# KiCad board rabbit_mask_capacitors.kicad_pcb (continued)
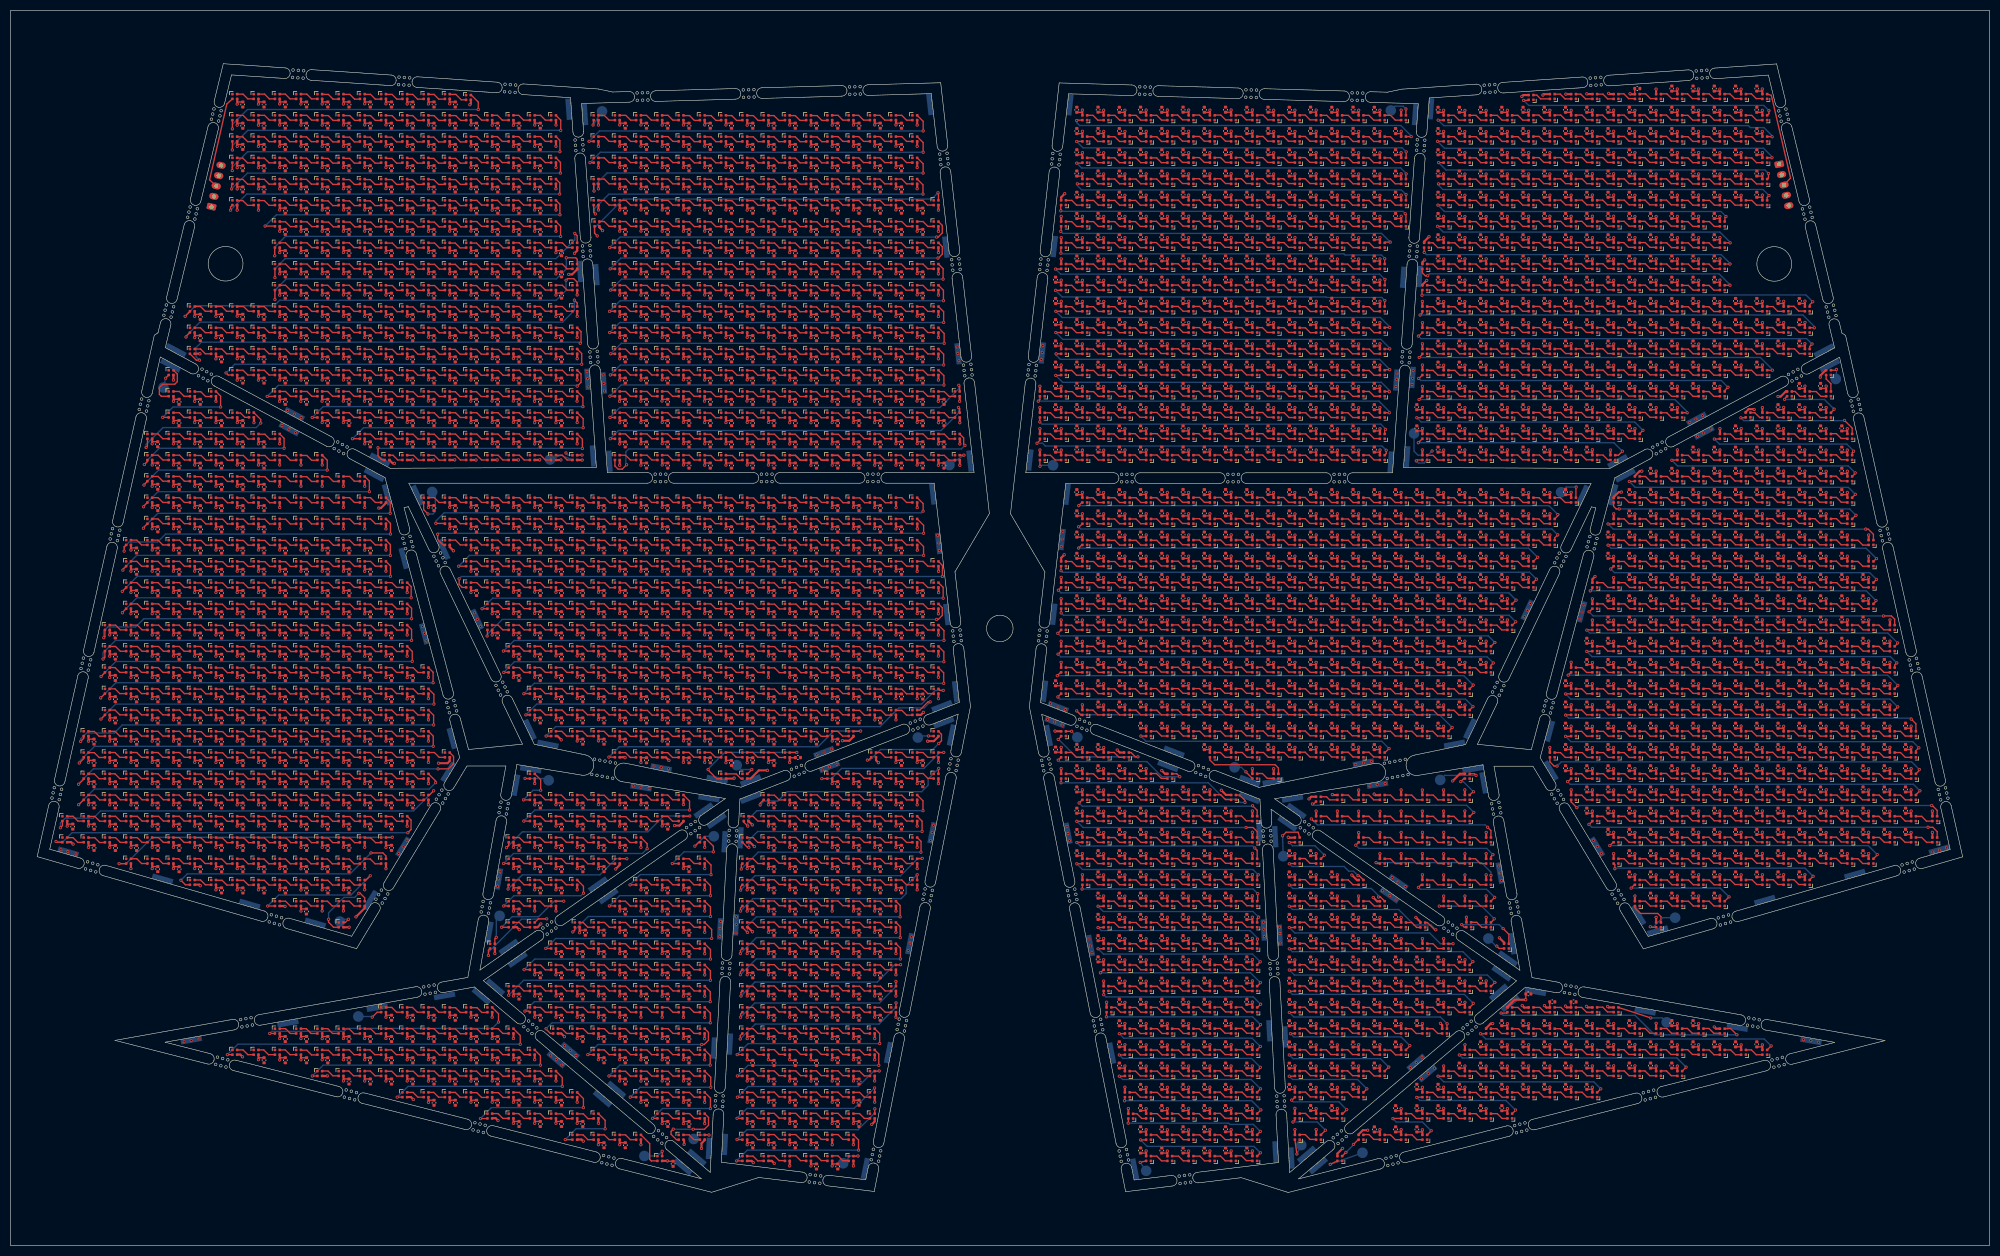
[diagram p0: board, top side]
## Routing (per net, layer and track width the routed paths; a pad name or vN(x,y) marks a point on that pad's centre or on a via; arc(x,y) is an arc through that point) (continued)
; 269.76,168.79 v1(269.76,169.76) ; 142.65,79.94 v1(142.65,78.96) ; 221.75,16.79 v1(221.75,17.76) ; D2100.2 v1(289.75,141.79) ; 213.76,184.8 v1(213.76,185.78) ; 126.65,31.94 v1(126.65,30.96) ; 329.75,72.84 v1(329.75,73.81) ; 341.75,140.82 v1(341.75,141.8) ; 233.75,80.84 v1(233.75,81.81) ; D2601.2 v1(213.75,81.79) ; 98.65,171.94 v1(98.65,170.96) ; D2293.2 v1(349.75,121.79) ; 337.75,160.85 v1(337.75,161.82) ; 257.75,100.8 v1(257.75,101.77) ; 233.75,72.84 v1(233.75,73.81) ; D2809.2 v1(269.75,49.79) ; 122.65,51.94 v1(122.65,50.96) ; 114.65,55.94 v1(114.65,54.96) ; D2846.2 v1(257.75,41.79) ; 301.76,100.79 v1(301.76,101.76) ; 154.65,195.96 v1(154.65,194.99) ; 78.65,171.99 v1(78.65,171.01) ; 102.65,79.94 v1(102.65,78.96) ; D1627.2 v1(201.75,197.79) ; 114.65,179.94 v1(114.65,178.96) ; 170.65,67.94 v1(170.65,66.96) ; 237.76,152.8 v1(237.76,153.77) ; 86.63,147.91 v1(87.61,147.91) ; 114.65,167.94 v1(114.65,166.96) ; 158.65,79.94 v1(158.65,78.96) ; 42.65,147.94 v1(42.65,146.96) ; 253.75,116.79 v1(253.75,117.76) ; 297.76,84.8 v1(297.76,85.77) ; 98.65,183.94 v1(98.65,182.96) ; 94.65,39.94 v1(94.65,38.96) ; 305.75,196.79 v1(305.75,197.76) ; 313.75,116.78 v1(313.75,117.75) ; 253.75,112.78 v1(253.75,113.75) ; D2515.2 v1(237.75,93.79) ; D2251.2 v1(325.75,125.79) ; 337.75,96.8 v1(337.75,97.78) ; 162.65,51.94 v1(162.65,50.96) ; 154.65,67.94 v1(154.65,66.96) ; 333.76,84.8 v1(333.76,85.77) ; 333.75,132.84 v1(333.75,133.81) ; 130.65,179.96 v1(130.65,178.99) ; 134.65,135.96 v1(134.65,134.99) ; 134.65,139.99 v1(134.65,139.01) ; 333.74,152.86 v1(333.74,153.83) ; 337.74,148.83 v1(337.74,149.8) ; 82.65,135.94 v1(82.65,134.96) ; D193.2 110.83,191.71 v1(111.42,191.11) ; D495.2 v1(114.65,154.94) ; 293.75,140.84 v1(293.75,141.81) ; 170.65,107.94 v1(170.65,106.96) ; 38.65,159.94 v1(38.65,158.96) ; 90.65,179.99 v1(90.65,179.01) ; 58.65,123.94 v1(58.65,122.96) ; D2179.2 v1(329.75,133.79) ; 225.75,104.86 v1(225.75,105.83) ; 249.75,100.82 v1(249.75,101.8) ; 98.65,67.94 v1(98.65,66.96) ; 333.75,128.84 v1(333.75,129.81) ; D2094.2 v1(265.75,141.79) ; 154.65,199.96 v1(154.65,198.99) ; 349.76,88.8 v1(349.76,89.77) ; 94.65,123.99 v1(94.65,123.01) ; 170.67,135.91 v1(170.67,134.94) ; v1(240.5,76.86) 240.58,76.78 241.75,76.78 ; 98.65,127.99 v1(98.65,127.01) ; D2853.2 v1(289.75,41.79) ; 233.75,76.83 v1(233.75,77.8) ; 277.75,176.8 v1(277.75,177.78) ; 225.76,180.83 v1(225.76,181.8) ; 90.65,139.99 v1(90.65,139.01) ; D2934.2 v1(210.4,25.76) ; 253.75,164.78 v1(253.75,165.75) ; 150.65,39.92 v1(150.65,38.95) ; 82.65,171.96 v1(82.65,170.99) ; 50.65,107.94 v1(50.65,106.96) ; 42.65,95.94 v1(42.65,94.96) ; 58.65,167.96 v1(58.65,166.99) ; 50.65,95.94 v1(50.65,94.96) ; D1411.2 v1(78.65,30.94) ; 38.65,107.94 v1(38.65,106.96) ; 90.65,43.94 v1(90.65,42.96) ; 225.76,192.83 v1(225.76,193.81) ; 94.65,71.94 v1(94.65,70.96) ; 90.65,163.99 v1(90.65,163.01) ; 333.74,92.79 v1(333.74,93.77) ; 58.65,35.94 v1(58.65,34.96) ; 86.65,155.94 v1(86.65,154.96) ; 166.65,63.94 v1(166.65,62.96) ; 317.75,112.79 v1(317.75,113.76) ; D2886.2 v1(317.75,37.79) ; D1931.2 v1(213.75,161.79) ; 130.65,91.94 v1(130.65,90.96) ; D1478.2 v1(123.63,15.91) ; D2479.2 v1(225.75,97.79) ; v1(248.8,84.89) 248.88,84.81 D2574.2 ; 293.76,152.88 v1(293.76,153.86) ; 241.76,132.79 v1(241.76,133.76) ; D1131.2 v1(98.65,78.94) ; 130.65,55.9 v1(130.65,54.93) ; 158.65,47.94 v1(158.65,46.96) ; 174.65,167.94 v1(174.65,166.96) ; D2358.2 v1(321.75,113.79) ; 106.65,167.96 v1(106.65,166.99) ; 114.65,35.94 v1(114.65,34.96) ; 86.65,139.99 v1(86.65,139.01) ; 62.65,199.96 v1(62.65,198.99) ; 237.75,172.8 v1(237.75,173.77) ; 309.75,196.79 v1(309.75,197.76) ; 114.65,31.94 v1(114.65,30.96) ; 197.76,180.8 v1(197.76,181.78) ; 94.65,207.94 v1(94.65,206.96) ; D1654.2 v1(313.75,197.79) ; 58.65,139.94 v1(58.65,138.96) ; 341.76,84.82 v1(341.76,85.8) ; 158.65,191.96 v1(158.65,190.99) ; 249.76,132.81 v1(249.76,133.79) ; 114.65,39.94 v1(114.65,38.96) ; D2067.2 305.75,144.91 306.65,145.81 v1(307.05,145.81) ; 70.65,131.94 v1(70.65,130.96) ; D2246.2 v1(305.75,125.79) ; D809.2 v1(174.65,118.94) ; 221.75,96.79 v1(221.75,97.76) ; 301.75,36.84 v1(301.75,37.81) ; 74.65,175.96 v1(74.65,174.99) ; 74.65,183.99 v1(74.65,183.01) ; 94.65,179.99 v1(94.65,179.01) ; 253.76,208.81 v1(253.76,209.78) ; 213.75,44.79 v1(213.75,45.76) ; 325.74,208.79 v1(325.74,209.76) ; 86.65,131.96 v1(86.65,130.99) ; 98.65,27.94 v1(98.65,26.96) ; 349.76,108.82 v1(349.76,109.8) ; 281.15,56.81 281.15,57.01 v1(280.25,57.91) ; D2901.2 v1(257.75,33.79) ; 70.65,211.99 v1(70.65,211.01) ; 333.75,120.84 v1(333.75,121.81) ; 170.65,171.99 v1(170.65,171.01) ; 106.65,27.94 v1(106.65,26.96) ; 249.76,208.83 v1(249.76,209.81) ; 233.76,132.84 v1(233.76,133.81) ; 221.76,188.81 v1(221.76,189.79) ; 106.65,55.94 v1(106.65,54.96) ; 245.75,172.82 v1(245.75,173.8) ; D2298.2 v1(213.75,117.79) ; 166.65,183.96 v1(166.65,182.99) ; 146.65,79.94 v1(146.65,78.96) ; 78.65,163.99 v1(78.65,163.01) ; 74.65,211.96 v1(74.65,210.99) ; 26.65,147.94 v1(26.65,146.96) ; D2396.2 v1(325.75,109.79) ; 114.65,95.99 v1(114.65,95.01) ; 333.75,124.84 v1(333.75,125.81) ; 102.65,67.94 v1(102.65,66.96) ; 118.65,75.94 v1(118.65,74.96) ; 46.65,167.96 v1(46.65,166.99) ; D2217.2 v1(337.75,129.79) ; 326.61,156.85 326.61,156.94 327.15,157.49 328.14,157.49 v1(328.2,157.43) ; 58.65,135.94 v1(58.65,134.96) ; 102.65,99.96 v1(102.65,98.99) ; 110.65,103.99 v1(110.65,103.01) ; 146.65,163.94 v1(146.65,162.96) ; 30.65,119.94 v1(30.65,118.96) ; D1938.2 v1(241.75,161.79) ; 325.76,164.81 v1(325.76,165.79) ; 253.75,92.84 v1(253.75,93.81) ; 321.75,212.77 v1(321.75,213.74) ; 257.76,180.8 v1(257.76,181.78) ; 289.75,212.79 v1(289.75,213.77) ; 138.65,207.94 v1(138.65,206.96) ; 114.65,47.94 v1(114.65,46.96) ; D2598.2 v1(201.75,81.79) ; 217.74,140.82 v1(217.74,141.8) ; 162.65,163.96 v1(162.65,162.99) ; 166.67,139.91 v1(166.67,138.94) ; D2200.2 v1(257.75,129.79) ; 138.65,19.94 v1(138.65,18.96) ; 70.62,159.96 v1(70.62,158.99) ; D1576.2 v1(261.75,205.79) ; 162.65,167.96 v1(162.65,166.99) ; 150.65,211.96 v1(150.65,210.99) ; D2775.2 v1(269.75,57.79) ; 201.75,120.79 v1(201.75,121.76) ; 166.65,47.94 v1(166.65,46.96) ; 166.65,127.96 v1(166.65,126.99) ; 337.76,84.82 v1(337.76,85.8) ; 118.65,207.99 v1(118.65,207.01) ; 253.75,156.79 v1(253.75,157.76) ; 313.75,96.8 v1(313.75,97.78) ; 205.75,80.79 v1(205.75,81.76) ; 217.75,112.8 v1(217.75,113.78) ; 118.65,203.99 v1(118.65,203.01) ; 154.65,15.94 v1(154.65,14.96) ; 317.76,88.82 v1(317.76,89.8) ; 114.65,171.94 v1(114.65,170.96) ; 233.75,108.8 v1(233.75,109.77) ; 82.65,163.96 v1(82.65,162.99) ; 110.65,135.99 v1(110.65,135.01) ; 130.63,39.89 v1(130.63,38.92) ; 62.65,91.94 v1(62.65,90.96) ; 301.75,80.79 v1(301.75,81.76) ; 102.65,47.94 v1(102.65,46.96) ; 217.75,28.79 v1(217.75,29.76) ; 170.65,175.96 v1(170.65,174.99) ; 106.65,107.99 v1(106.65,107.01) ; D2482.2 v1(237.75,97.79) ; 106.65,179.96 v1(106.65,178.99) ; 102.65,203.96 v1(102.65,202.99) ; 38.65,83.94 v1(38.65,82.96) ; 42.65,143.94 v1(42.65,142.96) ; D858.2 v1(62.65,110.94) ; 305.75,80.79 v1(305.75,81.76) ; 130.65,123.96 v1(130.65,122.99) ; 126.65,107.94 v1(126.65,106.96) ; 313.75,192.82 v1(313.75,193.8) ; 46.65,99.94 v1(46.65,98.96) ; D2363.2 v1(341.75,113.79) ; 46.65,87.94 v1(46.65,86.96) ; 54.65,139.94 v1(54.65,138.96) ; 170.65,71.94 v1(170.65,70.96) ; 233.76,180.78 v1(233.76,181.75) ; 38.65,171.94 v1(38.65,170.96) ; v1(45.8,154.94) 45.8,155.91 D481.2 ; v1(298.25,125.96) 297.75,125.46 297.75,124.79 ; D2487.2 v1(257.75,97.79) ; D2792.2 v1(269.75,53.79) ; 142.65,111.96 v1(142.65,110.99) ; D2840.2 v1(229.75,41.79) ; 114.65,131.94 v1(114.65,130.96) ; 42.65,203.94 v1(42.65,202.96) ; 62.65,119.94 v1(62.65,118.96) ; 329.75,124.84 v1(329.75,125.81) ; 241.75,56.79 v1(241.75,57.76) ; 130.65,203.99 v1(130.65,203.01) ; 265.76,156.82 v1(265.76,157.8) ; 154.65,167.96 v1(154.65,166.99) ; 142.65,27.94 v1(142.65,26.96) ; 305.76,180.8 v1(305.76,181.78) ; 34.65,115.94 v1(34.65,114.96) ; 34.65,143.94 v1(34.65,142.96) ; D2168.2 v1(277.75,133.79) ; 38.65,91.94 v1(38.65,90.96) ; 253.76,152.8 v1(253.76,153.77) ; 30.65,79.94 v1(30.65,78.96) ; D2507.2 v1(357.75,97.79) ; 213.75,104.83 v1(213.75,105.81) ; 289.76,164.81 v1(289.76,165.79) ; D2299.2 v1(217.75,117.79) ; 78.65,107.94 v1(78.65,106.96) ; 126.65,119.94 v1(126.65,118.96) ; 317.74,208.81 v1(317.74,209.79) ; D2875.2 v1(273.75,37.79) ; 245.76,152.82 v1(245.76,153.8) ; 261.75,20.81 v1(261.75,21.79) ; 213.75,124.82 v1(213.75,125.8) ; 118.65,211.99 v1(118.65,211.01) ; 261.75,60.79 v1(261.75,61.76) ; 201.75,156.79 v1(201.75,157.76) ; 201.75,92.79 v1(201.75,93.76) ; 209.75,60.79 v1(209.75,61.76) ; 142.65,39.92 v1(142.65,38.95) ; 26.65,119.94 v1(26.65,118.96) ; 297.75,176.83 v1(297.75,177.8) ; 146.65,207.96 v1(146.65,206.99) ; 30.65,123.94 v1(30.65,122.96) ; 110.65,199.96 v1(110.65,198.99) ; 245.75,44.79 v1(245.75,45.76) ; 94.65,195.94 v1(94.65,194.96) ; 42.65,35.94 43.23,35.94 v1(43.65,35.51) ; 337.75,168.84 v1(337.75,169.81) ; 138.65,63.94 v1(138.65,62.96) ; 158.65,63.94 v1(158.65,62.96) ; 345.76,112.82 v1(345.76,113.8) ; 209.75,52.79 v1(209.75,53.76) ; D2190.2 v1(217.75,129.79) ; 325.76,168.81 v1(325.76,169.79) ; 154.65,107.94 v1(154.65,106.96) ; 122.65,207.96 v1(122.65,206.99) ; 321.75,116.8 v1(321.75,117.78) ; 261.75,100.82 v1(261.75,101.8) ; 122.65,167.99 v1(122.65,167.01) ; 301.75,192.85 v1(301.75,193.82) ; 321.76,168.79 v1(321.76,169.76) ; D2386.2 v1(273.75,109.79) ; 225.75,212.82 v1(225.75,213.8) ; 158.65,39.92 v1(158.65,38.95) ; D2699.2 v1(217.75,69.79) ; 98.62,147.92 v1(99.59,147.92) ; 130.65,63.94 v1(130.65,62.96) ; D1612.2 v1(281.75,201.79) ; 213.76,208.83 v1(213.76,209.81) ; 205.75,164.78 v1(205.75,165.75) ; 102.65,51.94 v1(102.65,50.96) ; 50.65,147.94 v1(50.65,146.96) ; 321.76,84.85 v1(321.76,85.82) ; 58.65,199.96 v1(58.65,198.99) ; 329.74,208.81 v1(329.74,209.79) ; D2664.2 v1(361.75,77.79) ; 217.75,32.79 v1(217.75,33.76) ; 265.75,112.79 v1(265.75,113.76) ; 94.65,183.99 v1(94.65,183.01) ; 138.65,47.94 v1(138.65,46.96) ; 146.65,147.89 v1(146.65,146.91) ; 170.65,191.96 v1(170.65,190.99) ; 269.76,160.79 v1(269.76,161.77) ; 201.74,140.82 v1(201.74,141.8) ; 158.65,43.94 v1(158.65,42.96) ; 22.65,115.94 v1(22.65,114.96) ; 297.76,180.78 v1(297.76,181.75) ; D2306.2 v1(245.75,117.79) ; 305.75,204.81 v1(305.75,205.78) ; 46.65,71.94 v1(46.65,70.96) ; 58.65,187.96 v1(58.65,186.99) ; 122.65,115.94 v1(122.65,114.96) ; 110.65,59.94 v1(110.65,58.96) ; 333.75,80.79 v1(333.75,81.76) ; 114.63,159.94 v1(114.63,158.96) ; 170.65,199.96 v1(170.65,198.99) ; 94.65,75.94 v1(94.65,74.96) ; D2909.2 v1(297.75,33.79) ; 22.65,99.94 v1(22.65,98.96) ; 213.75,56.79 v1(213.75,57.76) ; 205.75,172.8 v1(205.75,173.77) ; 150.65,67.94 v1(150.65,66.96) ; 66.65,199.99 v1(66.65,199.01) ; 138.65,123.96 v1(138.65,122.99) ; 30.65,127.94 v1(30.65,126.96) ; 337.76,100.85 v1(337.76,101.82) ; 98.65,115.99 v1(98.65,115.01) ; D2932.2 v1(293.75,29.79) ; 58.65,155.94 v1(58.65,154.96) ; 142.65,131.94 v1(142.65,130.96) ; 30.65,91.94 v1(30.65,90.96) ; 114.65,107.96 v1(114.65,106.99) ; 122.65,35.94 v1(122.65,34.96) ; 42.65,175.96 v1(42.65,174.99) ; 253.75,172.8 v1(253.75,173.77) ; 353.76,88.82 v1(353.76,89.8) ; 201.75,76.8 v1(201.75,77.78) ; 341.75,76.79 v1(341.75,77.76) ; 349.76,84.8 v1(349.76,85.77) ; 146.65,103.96 v1(146.65,102.99) ; 205.75,92.79 v1(205.75,93.76) ; 118.65,127.94 v1(118.65,126.96) ; 241.75,96.84 v1(241.75,97.81) ; 138.62,159.99 v1(138.62,159.01) ; D2838.2 v1(221.75,41.79) ; D2967.2 v1(233.75,17.79) ; 66.65,167.96 v1(66.65,166.99) ; 106.65,151.94 v1(106.65,150.96) ; 257.76,208.81 v1(257.76,209.78) ; 241.75,36.84 v1(241.75,37.81) ; 309.74,216.78 v1(309.74,217.75) ; 217.75,96.79 v1(217.75,97.76) ; 150.65,75.94 v1(150.65,74.96) ; D1624.2 v1(329.75,201.79) ; 293.76,184.84 v1(293.76,185.81) ; 142.65,19.94 v1(142.65,18.96) ; 122.65,187.99 v1(122.65,187.01) ; 126.65,155.96 v1(126.65,154.99) ; 261.75,116.8 v1(261.75,117.78) ; 253.76,184.78 v1(253.76,185.75) ; 301.75,196.84 v1(301.75,197.81) ; 273.76,152.83 v1(273.76,153.81) ; 337.75,136.83 v1(337.75,137.8) ; 94.65,107.94 v1(94.65,106.96) ; 142.65,187.99 v1(142.65,187.01) ; 201.75,172.8 v1(201.75,173.77) ; 170.65,75.94 v1(170.65,74.96) ; 146.65,31.94 v1(146.65,30.96) ; 277.75,64.84 v1(277.75,65.81) ; 26.65,111.94 v1(26.65,110.96) ; 138.65,75.94 139.17,75.94 v1(140,75.11) ; 150.65,59.94 v1(150.65,58.96) ; 110.65,139.94 v1(110.65,138.96) ; 54.65,119.94 v1(54.65,118.96) ; 233.75,168.79 v1(233.75,169.76) ; 329.74,92.77 v1(329.74,93.74) ; 289.75,192.82 v1(289.75,193.8) ; 58.65,171.96 v1(58.65,170.99) ; D1002.2 v1(58.65,94.94) ; 313.76,168.81 v1(313.76,169.79) ; D2076.2 v1(341.75,145.79) ; 197.76,152.82 v1(197.76,153.8) ; 118.65,59.94 v1(118.65,58.96) ; D2927.2 v1(273.75,29.79) ; 130.65,99.94 v1(130.65,98.96) ; 34.65,95.94 v1(34.65,94.96) ; v1(296.7,216.86) 296.74,216.83 297.74,216.83 ; 158.65,195.96 v1(158.65,194.99) ; 305.76,172.79 v1(305.76,173.76) ; 122.65,135.96 v1(122.65,134.99) ; 249.75,108.8 v1(249.75,109.77) ; 138.65,71.94 v1(138.65,70.96) ; 146.65,111.96 v1(146.65,110.99) ; 102.65,191.96 v1(102.65,190.99) ; 54.62,159.94 v1(54.62,158.96) ; 50.62,159.94 v1(50.62,158.96) ; 66.65,91.94 v1(66.65,90.96) ; 142.67,139.94 v1(142.67,138.96) ; 285.75,148.84 v1(285.75,149.81) ; 249.74,140.82 v1(249.74,141.8) ; 305.74,92.79 v1(305.74,93.77) ; 209.76,148.81 v1(209.76,149.79) ; D2481.2 v1(233.75,97.79) ; 106.65,123.96 v1(106.65,122.99) ; 90.65,167.99 v1(90.65,167.01) ; 102.65,131.96 v1(102.65,130.99) ; 241.75,40.84 v1(241.75,41.81) ; D1342.2 v1(130.65,42.94) ; D2219.2 v1(345.75,129.79) ; D785.2 v1(66.65,118.94) ; 217.76,132.81 v1(217.76,133.79) ; 10.65,79.94 v1(10.65,78.96) ; 197.76,188.81 v1(197.76,189.79) ; 221.76,132.81 v1(221.76,133.79) ; 66.65,179.96 v1(66.65,178.99) ; 221.76,148.81 v1(221.76,149.79) ; 205.75,100.8 v1(205.75,101.77) ; 162.65,171.96 v1(162.65,170.99) ; 257.75,172.82 v1(257.75,173.8) ; D2436.2 v1(341.75,105.79) ; 34.65,147.94 v1(34.65,146.96) ; 337.75,80.79 v1(337.75,81.76) ; 78.65,103.94 v1(78.65,102.96) ; 217.76,180.8 v1(217.76,181.78) ; 38.65,127.94 v1(38.65,126.96) ; D1615.2 v1(293.75,201.79) ; 74.65,179.99 v1(74.65,179.01) ; 301.76,156.8 v1(301.76,157.77) ; D2698.2 v1(213.75,69.79) ; 313.76,160.82 v1(313.76,161.79) ; 138.65,211.94 v1(138.65,210.96) ; 249.75,120.79 v1(249.75,121.76) ; 261.75,200.82 v1(261.75,201.8) ; 329.76,172.8 v1(329.76,173.78) ; 170.65,91.94 v1(170.65,90.96) ; 333.75,68.84 v1(333.75,69.81) ; 277.76,136.81 v1(277.76,137.79) ; 150.65,43.94 v1(150.65,42.96) ; 26.65,123.94 v1(26.65,122.96) ; D2292.2 v1(345.75,121.79) ; 301.75,200.84 v1(301.75,201.81) ; 249.76,188.79 v1(249.76,189.76) ; 221.75,164.8 v1(221.75,165.78) ; 78.65,87.94 v1(78.65,86.96) ; D2615.2 v1(297.75,81.79) ; 158.65,179.96 v1(158.65,178.99) ; 166.65,119.94 v1(166.65,118.96) ; 321.76,152.83 v1(321.76,153.81) ; 122.65,139.96 v1(122.65,138.99) ; 317.75,128.79 v1(317.75,129.76) ; 245.75,100.82 v1(245.75,101.8) ; 154.65,39.92 v1(154.65,38.95) ; D2240.2 v1(273.75,125.79) ; 166.65,123.96 v1(166.65,122.99) ; 225.75,108.85 v1(225.75,109.82) ; 30.65,163.94 v1(30.65,162.96) ; 225.75,168.84 v1(225.75,169.81) ; 134.65,183.96 v1(134.65,182.99) ; 281.75,148.84 v1(281.75,149.81) ; 309.76,156.82 v1(309.76,157.8) ; 281.75,28.79 v1(281.75,29.76) ; D641.2 v1(70.65,134.94) ; 201.77,176.8 v1(201.77,177.77) ; 289.74,92.79 v1(289.74,93.77) ; 313.75,36.79 v1(313.75,37.76) ; D2715.2 v1(317.75,69.79) ; 46.65,111.94 v1(46.65,110.96) ; D1872.2 v1(257.75,169.79) ; 78.62,159.99 v1(78.62,159.01) ; 333.75,104.84 v1(333.75,105.81) ; 257.75,76.78 v1(257.75,77.75) ; 269.75,112.79 v1(269.75,113.76) ; 142.65,183.99 v1(142.65,183.01) ; D1646.2 v1(281.75,197.79) ; 217.75,104.83 v1(217.75,105.81) ; 126.65,123.96 v1(126.65,122.99) ; 62.65,135.94 v1(62.65,134.96) ; 62.65,203.96 v1(62.65,202.99) ; 158.65,207.96 v1(158.65,206.99) ; 58.65,127.94 v1(58.65,126.96) ; D1458.2 v1(130.65,22.94) ; D1857.2 v1(197.75,169.79) ; 317.75,140.79 v1(317.75,141.76) ; 118.65,19.94 v1(118.65,18.96) ; 78.65,91.94 v1(78.65,90.96) ; 142.65,83.94 v1(142.65,82.96) ; 349.76,116.81 v1(349.76,117.79) ; 38.65,147.94 v1(38.65,146.96) ; 158.65,187.96 v1(158.65,186.99) ; 217.75,172.82 v1(217.75,173.8) ; 42.65,123.94 v1(42.65,122.96) ; 209.75,200.8 v1(209.75,201.77) ; 114.65,123.99 v1(114.65,123.01) ; 301.76,152.83 v1(301.76,153.81) ; 66.65,107.94 v1(66.65,106.96) ; v1(198.42,198.06) 197.75,197.39 197.75,196.83 ; 114.65,19.94 v1(114.65,18.96) ; 66.65,111.94 v1(66.65,110.96) ; D322.2 v1(114.65,174.94) ; 22.65,131.94 v1(22.65,130.96) ; 297.75,104.81 v1(297.75,105.78) ; 301.75,128.79 v1(301.75,129.76) ; 325.75,80.84 v1(325.75,81.81) ; 205.76,132.79 v1(205.76,133.76) ; 345.76,84.8 v1(345.76,85.77) ; 154.65,179.96 v1(154.65,178.99) ; 193.75,152.83 v1(193.75,153.81) ; 146.65,35.94 v1(146.65,34.96) ; 98.65,167.94 v1(98.65,166.96) ; D2939.2 v1(229.75,25.79) ; 70.65,167.96 v1(70.65,166.99) ; 245.76,148.81 v1(245.76,149.79) ; 90.65,207.94 v1(90.65,206.96) ; 205.75,120.79 v1(205.75,121.76) ; 225.75,124.85 v1(225.75,125.82) ; 245.75,60.79 v1(245.75,61.76) ; 253.75,76.78 v1(253.75,77.75) ; 30.65,139.94 v1(30.65,138.96) ; D2940.2 v1(233.75,25.79) ; 174.65,103.94 v1(174.65,102.96) ; D1962.2 v1(197.75,157.79) ; 313.74,208.81 v1(313.74,209.79) ; 309.76,88.82 v1(309.76,89.8) ; 209.74,140.8 v1(209.74,141.77) ; 154.65,95.96 v1(154.65,94.99) ; 62.65,207.96 v1(62.65,206.99) ; 98.65,111.96 v1(98.65,110.99) ; 329.76,100.82 v1(329.76,101.8) ; D2854.2 v1(293.75,41.79) ; D1050.2 v1(146.65,90.94) ; D2701.2 v1(225.75,69.79) ; 317.76,164.79 v1(317.76,165.76) ; 162.67,103.94 v1(162.67,102.96) ; 70.65,39.94 v1(70.65,38.96) ; 42.65,91.94 v1(42.65,90.96) ; D2712.2 v1(305.75,69.79) ; 34.65,119.94 v1(34.65,118.96) ; 265.75,72.8 v1(265.75,73.78) ; D545.2 v1(174.65,150.94) ; D1092.2 v1(58.65,82.94) ; 269.75,192.82 v1(269.75,193.8) ; D503.2 v1(146.65,154.94) ; 66.65,139.94 v1(66.65,138.96) ; D2188.2 v1(209.75,129.79) ; 313.75,204.83 v1(313.75,205.81) ; D1942.2 v1(257.75,161.79) ; 154.67,119.94 v1(154.67,118.96) ; D1564.2 v1(213.75,205.79) ; 98.65,195.96 v1(98.65,194.99) ; 225.75,100.82 v1(225.75,101.8) ; 229.76,148.84 v1(229.76,149.81) ; 42.65,111.94 v1(42.65,110.96) ; 221.74,140.82 v1(221.74,141.8) ; 30.65,143.94 v1(30.65,142.96) ; D528.2 v1(102.65,150.94) ; 170.65,155.96 v1(170.65,154.99) ; 265.76,136.81 v1(265.76,137.79) ; 313.75,124.79 v1(313.75,125.76) ; 237.76,148.79 v1(237.76,149.76) ; 142.65,107.96 v1(142.65,106.99) ; 305.76,136.79 v1(305.76,137.76) ; 162.65,31.94 v1(162.65,30.96) ; D2290.2 v1(337.75,121.79) ; 98.65,103.94 v1(98.65,102.96) ; 106.65,71.94 v1(106.65,70.96) ; 162.65,211.99 v1(162.65,211.01) ; 158.65,31.94 v1(158.65,30.96) ; 42.65,87.94 v1(42.65,86.96) ; 237.75,112.78 v1(237.75,113.75) ; D2850.2 277.75,40.91 278.6,41.76 v1(278.97,41.76) ; D1066.2 v1(58.65,86.94) ; 18.65,83.94 v1(18.65,82.96) ; 233.76,192.86 v1(233.76,193.83) ; 297.76,156.85 v1(297.76,157.82) ; 126.65,131.96 v1(126.65,130.99) ; 158.65,67.94 v1(158.65,66.96) ; D2822.2 v1(249.75,45.79) ; 249.76,184.78 v1(249.76,185.75) ; 225.76,148.84 v1(225.76,149.81) ; 257.76,188.81 v1(257.76,189.79) ; 94.65,47.94 v1(94.65,46.96) ; 353.75,96.8 v1(353.75,97.78) ; 82.65,43.94 v1(82.65,42.96) ; 90.65,27.94 v1(90.65,26.96) ; 66.65,195.99 v1(66.65,195.01) ; 257.75,20.81 v1(257.75,21.79) ; D2835.2 v1(209.75,41.79) ; 313.75,32.79 v1(313.75,33.76) ; D2608.2 v1(249.75,81.79) ; 301.76,136.79 v1(301.76,137.76) ; 106.65,95.96 v1(106.65,94.99) ; 146.65,51.94 v1(146.65,50.96) ; 110.65,19.94 v1(110.65,18.96) ; 154.65,79.94 v1(154.65,78.96) ; 273.75,132.79 v1(273.75,133.76) ; 110.65,55.94 v1(110.65,54.96) ; 341.74,152.83 v1(341.74,153.81) ; 54.65,111.94 v1(54.65,110.96) ; 42.65,151.94 v1(42.65,150.96) ; 58.65,107.94 v1(58.65,106.96) ; 269.75,140.79 v1(269.75,141.76) ; 273.75,200.79 v1(273.75,201.76) ; 86.62,159.96 v1(86.62,158.99) ; D2734.2 v1(269.75,65.79) ; 357.75,84.82 v1(357.75,85.8) ; D308.2 v1(54.65,174.94) ; 82.65,199.99 v1(82.65,199.01) ; D2603.2 v1(221.75,81.79) ; 126.65,95.99 v1(126.65,95.01) ; D2473.2 v1(349.75,101.79) ; 106.65,47.94 v1(106.65,46.96) ; 118.65,39.94 v1(118.65,38.96) ; 162.65,43.94 v1(162.65,42.96) ; 253.76,180.78 v1(253.76,181.75) ; 337.75,132.84 v1(337.75,133.81)